# Altium PCB PCB_Project_Dangrangto.PcbDoc (part 2 of 2)
Units mm, origin at the board's own origin, x right, y up, seen from the top; angles counter-clockwise.
Board outline 121.2 x 86.2 mm, 2 copper layers (Top Layer, Bottom Layer); 180 components, 142 nets, 616 pads, 165 vias.
Unrouted connection lines stored in the file: 1.
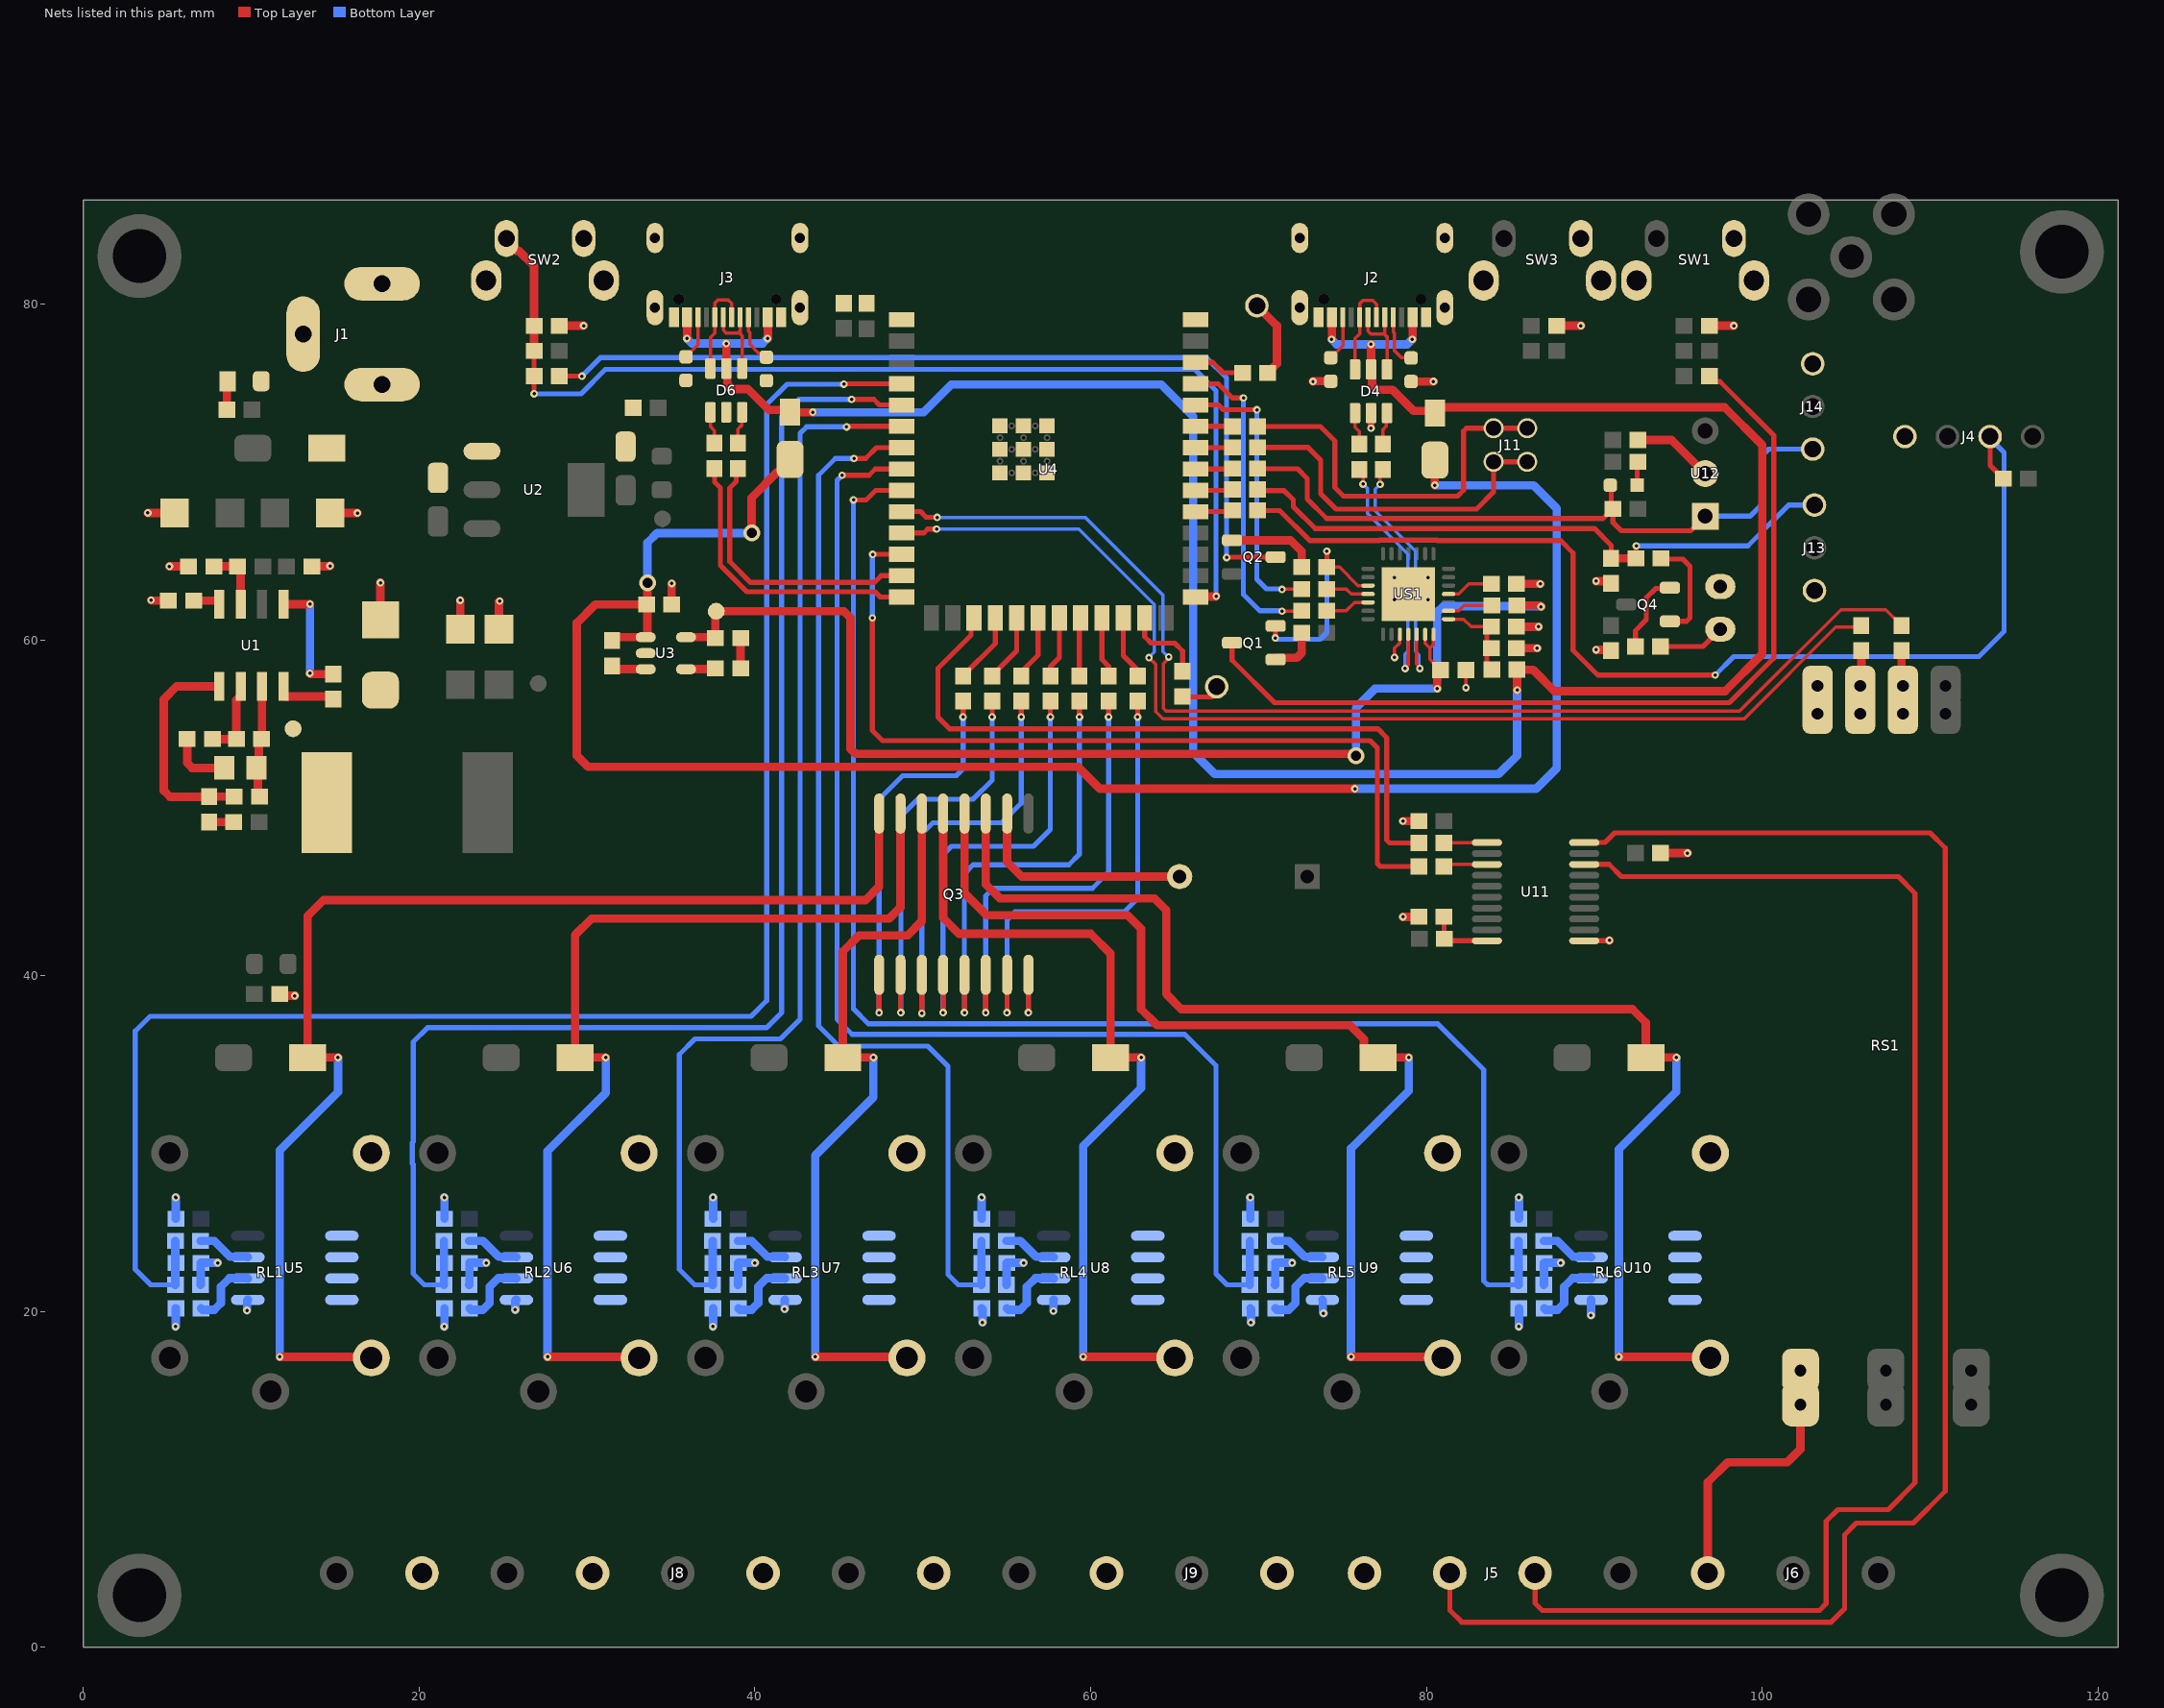
[diagram p2: the nets of this part, all layers, seen from the top]

## Via types
v1: diameter 0.45, hole 0.2, Top Layer to Bottom Layer, tented both sides, 158 vias
v2: diameter 1, hole 0.6, Top Layer to Bottom Layer, tented both sides, 7 vias

## Nets (pads, with @x,y where several pads share a name; then routed paths per layer and width w, separated by ;. In a path a pad name is that pad's centre, name@x,y a point inside that pad or via, vN(x,y) a via of type N, cw(c..) or ccw(c..) an arc to the next point about the centre after c; other vN are vias at no path point) (continued)
GND: C2.2 C3.2 C4.2 C5.2 C6.2 C7.2 C9.2 C10.2 C11.2 C12.2 C13.2 C14.2 C15.2 C16.2 C17.2 C18.2 C19.2 C20.2 C21.2 C22.2 C23.2 C24.1 C25.1 C30.2 C31.2 C32.2 C33.2 C34.2 C35.2 C36.2 C37.2 C38.2 C39.2 C40.2 C41.2 C42.2 C43.2 C44.2 C45.2 C46.2 C47.2 C48.2 C49.2 D1.1 D4.2 D6.2 D13.2 D15.2 J1.2 J1.3 J2.1 J2.2 J2.3 J2.4 J2.A1B12 J2.B1A12 J3.1 J3.2 J3.3 J3.4 J3.A1B12 J3.B1A12 J4.4 J5.4 J13.3 J14.3 Q3.8 R4.1 R5.1 R6.1 R12.2 R13.2 R17.2 R30.2 R31.2 R42.1 R43.1 R46.1 R47.1 R50.1 R51.1 R53.1 R54.2 R63.1 RS1.1 SW1.2 SW1.MH1 SW1.MH2 SW2.2 SW2.MH1 SW2.MH2 SW3.2 SW3.MH1 SW3.MH2 U1.7 U2.1 U3.2 U4.1 U4.40 U4.41_1 U4.41_2 U4.41_3 U4.41_4 U4.41_5 U4.41_6 U4.41_7 U4.41_8 U4.41_9 U5.5 U6.5 U7.5 U8.5 U9.5 U10.5 U11.11 U12.2 US1.3 US1.29 | length 82.9
  Top Layer w0.2: v1(78.1,58.95) 78.1,59.5 78.419,59.819 US1.3@78.419,60.326 ; v1(82.35,57.15) C19.2@82.35,58.2
  Top Layer w0.3: v1(56.29,37.8) 56.295,37.805 Q3.8@56.295,40.05 ; U11.11@89.4,42.075 v1@90.875,42.075
  Top Layer w0.4: v1(76.7,72.6) D4.2@76.7,73.5
  Top Layer w0.5: v1(3.845,67.555) 3.855,67.545 C5.2@5.443,67.545 ; v1(4.038,62.362) 4.062,62.338 C10.2@5.073,62.338 ; v1(5.13,64.37) R4.1@6.273,64.37 ; R6.1@10.491,50.654 10.398,50.747 10.398,52.273 R5.1@10.306,52.366 10.462,52.522 10.462,53.927 10.649,54.114 U1.7@10.649,57.221 ; C4.2@11.695,38.903 11.798,38.8 v1(12.603,38.8) ; C7.2@13.615,64.37 14.67,64.37 v1(14.7,64.4) ; C6.2@14.712,67.545 v1(16.327,67.545) ; D1.1@17.7,61.2 v1(17.7,63.4) ; C3.2@22.452,60.626 v1(22.452,62.348) ; C2.2@24.765,60.626 24.765,62.265 v1(24.8,62.3) ; C22.2@28.35,78.7 v1(29.8,78.7) ; C14.2@35.05,62.1 v1(35.05,63.35) ; C16.2@39.15,58.3 C15.2@39.15,60.1 ; v1(73.242,75.384) 73.258,75.4 R12.2@74.3,75.4 ; v1(78.6,43.5) R53.1@79.55,43.5 ; v1(78.6,49.2) C48.2@79.55,49.2 ; R13.2@79.088,75.381 v1(80.419,75.381) ; C20.2@85.369,59.501 v1(86.599,59.501) ; R17.2@85.369,60.776 v1(86.676,60.776) ; R54.2@85.369,63.326 v1(86.774,63.326) ; C23.2@87.75,78.7 v1(89.2,78.7) ; v1(90.1,59.4) 90.95,59.4 C24.1@91,59.35 ; v1(90.1,63.5) 90.107,63.493 90.857,63.493 R63.1@91,63.35 ; v1@90.875,42.075 v1(90.9,42.1) ; C25.1@92.6,71.9 94.6,71.9 U12.2@96.6,69.9 ; C49.2@93.95,47.3 v1(95.55,47.3) ; C21.2@96.85,78.7 v1(98.3,78.7)
  Bottom Layer w0.5: v1(5.5,19.1) 5.512,19.112 C34.2@5.512,20.187 ; v1(5.5,26.8) v1(5.512,26.788) C30.2@5.512,25.521 ; C32.2@6.987,21.584 6.999,21.597 6.999,22.884 R42.1@7.012,22.896 7.996,22.896 v1(8,22.9) ; v1(9.754,20.066) 9.754,20.649 U5.5@9.8,20.695 ; v1(21.5,19.1) 21.512,19.112 C35.2@21.512,20.187 ; v1(21.5,26.8) v1(21.512,26.788) C31.2@21.512,25.521 ; C33.2@22.987,21.584 22.999,21.597 22.999,22.884 R43.1@23.012,22.896 23.996,22.896 v1(24,22.9) ; v1(25.727,20.105) 25.727,20.649 25.773,20.695 U6.5@25.8,20.695 ; v1(37.5,19.1) 37.512,19.112 C40.2@37.512,20.187 ; v1(37.5,26.8) v1(37.512,26.788) C36.2@37.512,25.521 ; C38.2@38.987,21.584 38.999,21.597 38.999,22.884 R46.1@39.012,22.896 39.996,22.896 v1(40,22.9) ; v1(41.776,20.149) 41.776,20.671 U7.5@41.8,20.695 ; v1(53.5,26.8) v1(53.512,26.788) C37.2@53.512,25.521 ; C41.2@53.512,20.187 53.562,20.137 v1(53.562,19.353) ; C39.2@54.987,21.584 54.999,21.597 54.999,22.884 R47.1@55.012,22.896 55.996,22.896 v1(56,22.9) ; v1(57.784,20.027) 57.784,20.679 U8.5@57.8,20.695 ; v1(69.5,26.8) v1(69.512,26.788) C42.2@69.512,25.521 ; C46.2@69.512,20.187 69.551,20.148 v1(69.551,19.353) ; C44.2@70.987,21.584 70.999,21.597 70.999,22.884 R50.1@71.012,22.896 71.996,22.896 v1(72,22.9) ; U9.5@73.8,20.695 73.8,20.672 73.823,20.649 73.823,19.938 v1(73.866,19.895) ; v1(85.5,19.1) 85.512,19.112 C47.2@85.512,20.187 ; v1(85.5,26.8) v1(85.512,26.788) C43.2@85.512,25.521 ; C45.2@86.987,21.584 86.999,21.597 86.999,22.884 R51.1@87.012,22.896 87.996,22.896 v1(88,22.9) ; v1(89.799,19.772) 89.8,19.773 U10.5@89.8,20.695
  other v1: 78.1,62.4 80.1,62.4 78.1,63.7 80.1,63.7
GPIO0: C22.1 R24.2 R26.1 SW2.1 U4.27 | length 64.8
  Top Layer w0.3: v1(26.85,74.65) R24.2@26.85,75.7 ; R24.2@26.85,76.15 R26.1@26.85,77.2
  Top Layer w0.5: SW2.1@25.2,83.9 25.2,83.744 25.769,83.175 25.925,83.175 26.85,82.25 C22.1@26.85,78.7 R26.1@26.85,77.2 ; U4.27@66.25,62.55 66.277,62.577 67.457,62.577 v1(67.48,62.6)
  Bottom Layer w0.3: v1(26.85,74.65) 29.65,74.65 31.1,76.1 66.2,76.1 67.465,74.835 67.465,62.614 v1(67.48,62.6)
GROUND: J6.3 RS1.7 | length 14.4
  Top Layer w0.5: J6.3@96.755,4.426 96.755,9.831 97.943,11.019 101.488,11.019 102.28,11.811 RS1.7@102.28,14.453
IN_BUZZER: R38.2 U4.24 | length 3.8
  Top Layer w0.3: U4.24@61.945,61.3 61.945,59.055 62.8,58.2 R38.2@62.8,57.85
IN_RL1: R32.2 U4.18 | length 4.2
  Top Layer w0.3: R32.2@52.4,57.85 52.4,57.856 54.325,59.781 U4.18@54.325,61.3
IN_RL2: R33.2 U4.19 | length 4.1
  Top Layer w0.3: R33.2@54.133,57.846 54.133,57.89 55.595,59.352 U4.19@55.595,61.3
IN_RL3: R34.2 U4.20 | length 3.9
  Top Layer w0.3: R34.2@55.867,57.846 55.867,58.085 56.865,59.083 U4.20@56.865,61.3
IN_RL4: R35.2 U4.21 | length 3.7
  Top Layer w0.3: R35.2@57.6,57.846 57.6,58.4 58.135,58.935 U4.21@58.135,61.3
IN_RL5: R36.2 U4.22 | length 3.5
  Top Layer w0.3: R36.2@59.333,57.846 59.333,61.228 U4.22@59.405,61.3
IN_RL6: R37.2 U4.23 | length 3.6
  Top Layer w0.3: U4.23@60.675,61.3 60.675,58.825 61.067,58.433 R37.2@61.067,57.846
IO2: IO2.1 R55.1 | length 4.7
  Top Layer w0.5: IO2.1@69.9,79.9 71.1,78.7 71.1,76.45 70.8,76.15 70.8,76.125 70.575,75.9 R55.1@70.55,75.9
IO41: J11.1 J11.2 R59.2 | length 21
  Top Layer w0.3: R59.2@69.95,71.45 72.95,71.45 73.7,70.7 73.7,68.7 74.622,67.778 82.978,67.778 84,68.8 J11.2@84,70.6 J11.1@86,70.6
IO42: J11.3 J11.4 R60.2 | length 23.1
  Top Layer w0.3: R60.2@69.95,72.7 73.689,72.7 74.547,71.842 74.547,69.06 75.061,68.546 81.846,68.546 82.206,68.906 82.206,72.424 82.382,72.6 J11.3@86,72.6
IO48: IO48.1 R61.2 | length 2.5
  Top Layer w0.3: R61.2@65.463,56.625 65.486,56.602 67.2,56.602 67.5,56.902 IO48.1@67.5,57.2
NetC1_1: C1.1 D1.2 L1.1 TP1.1 U1.8 | length 3.6
  Top Layer w0.5: U1.8@11.919,57.221 11.919,56.671 11.969,56.621 14.732,56.621 C1.1@14.894,56.459
NetC1_2: C1.2 U1.1 | length 7.1
  Top Layer w0.5: U1.1@11.919,62.121 13.499,62.121 v1(13.502,62.124) ; v1(13.5,58) 13.541,57.959 C1.2@14.894,57.959 C1.2@14.884,57.969
  Bottom Layer w0.5: v1(13.5,58) v1@13.5,62.124
NetC8_1: C8.1 C9.1 U1.6 | length 4.7
  Top Layer w0.5: C8.1@7.697,54.083 C9.1@9.118,54.083 9.118,56.41 9.379,56.671 U1.6@9.379,57.221
NetC8_2: C8.2 R5.2 | length 3.8
  Top Layer w0.5: C8.2@6.197,54.083 6.197,52.659 6.49,52.366 R5.2@8.406,52.366
NetC10_1: C10.1 U1.4 | length 1.7
  Top Layer w0.5: C10.1@6.573,62.338 8.059,62.338 8.109,62.288 U1.4@8.109,62.121
NetC16_1: C16.1 U3.4 | length 1.8
  Top Layer w0.5: U3.4@35.9,58.25 37.6,58.25 C16.1@37.65,58.3
NetC20_1: C20.1 R16.2 R17.1 US1.8 | length 5.6
  Top Layer w0.2: US1.8@81.319,61.226 82.219,61.226 82.669,60.776 R17.1@83.682,60.776
  Top Layer w0.3: R17.1@83.869,60.776 83.595,60.501 83.595,59.776 C20.1@83.869,59.501 83.595,59.226 83.595,58.526 R16.2@83.895,58.226
NetC34_1: C34.1 U5.6 | length 4.2
  Bottom Layer w0.5: C34.1@7.012,20.187 7.099,20.1 7.8,20.1 8.2,20.5 8.2,21.468 8.716,21.984 9.781,21.984 U5.6@9.8,21.965
NetC35_1: C35.1 U6.6 | length 4.2
  Bottom Layer w0.5: C35.1@23.012,20.187 23.099,20.1 23.8,20.1 24.2,20.5 24.2,21.468 24.716,21.984 25.781,21.984 U6.6@25.8,21.965
NetC40_1: C40.1 U7.6 | length 4.2
  Bottom Layer w0.5: C40.1@39.012,20.187 39.099,20.1 39.8,20.1 40.2,20.5 40.2,21.468 40.716,21.984 41.781,21.984 U7.6@41.8,21.965
NetC41_1: C41.1 U8.6 | length 4.2
  Bottom Layer w0.5: C41.1@55.012,20.187 55.099,20.1 55.8,20.1 56.2,20.5 56.2,21.468 56.716,21.984 57.781,21.984 U8.6@57.8,21.965
NetC46_1: C46.1 U9.6 | length 4.2
  Bottom Layer w0.5: C46.1@71.012,20.187 71.099,20.1 71.8,20.1 72.2,20.5 72.2,21.468 72.716,21.984 73.781,21.984 U9.6@73.8,21.965
NetC47_1: C47.1 U10.6 | length 4.2
  Bottom Layer w0.5: C47.1@87.012,20.187 87.099,20.1 87.8,20.1 88.2,20.5 88.2,21.468 88.716,21.984 89.781,21.984 U10.6@89.8,21.965
NetD4_1: D4.1 R8.1 | length 2
  Top Layer w0.2: D4.1@75.75,73.5 75.75,72.65 76,72.4 R8.1@76,71.65
NetD4_3: D4.3 R9.1 | length 2
  Top Layer w0.2: R9.1@77.4,71.65 77.4,72.5 77.607,72.707 77.607,73.457 D4.3@77.65,73.5
NetD4_4: D4.4 J2.A7 J2.B7 | length 5.1
  Top Layer w0.2: J2.A7@76.523,79.205 76.523,78.377 76.7,78.2 77.4,78.2 77.523,78.323 ; J2.B7@77.523,79.205 77.523,78.323 ; D4.4@77.65,76.1 77.65,78.05 77.523,78.177 77.523,78.323
NetD4_6: D4.6 J2.A6 J2.B6 | length 6
  Top Layer w0.2: D4.6@75.75,76.1 75.75,77.95 76.023,78.223 J2.B6@76.023,79.205 76.023,79.997 76.019,80.001 76.217,80.2 76.8,80.2 77.023,79.977 J2.A6@77.023,79.205
NetD6_1: D6.1 R28.1 | length 2
  Top Layer w0.2: D6.1@37.35,73.55 37.35,72.7 37.6,72.45 R28.1@37.6,71.7
NetD6_3: D6.3 R29.1 | length 2
  Top Layer w0.2: R29.1@39,71.7 39,72.55 39.207,72.757 39.207,73.507 D6.3@39.25,73.55
NetD6_4: D6.4 J3.A7 J3.B7 | length 5.1
  Top Layer w0.2: J3.A7@38.123,79.255 38.123,78.427 38.3,78.25 39,78.25 39.123,78.373 ; J3.B7@39.123,79.255 39.123,78.373 ; D6.4@39.25,76.15 39.25,78.1 39.123,78.227 39.123,78.373
NetD6_6: D6.6 J3.A6 J3.B6 | length 6
  Top Layer w0.2: D6.6@37.35,76.15 37.35,78 37.623,78.273 37.623,79.255 37.623,80.047 37.619,80.051 37.817,80.25 38.4,80.25 38.623,80.027 J3.A6@38.623,79.255
NetD13_1: D13.1 R64.2 | length 4
  Top Layer w0.3: R64.2@93.95,59.6 96.47,59.6 D13.1@97.5,60.63
NetD14_1: D14.1 R65.1 | length 1.4
  Top Layer w0.3: D14.1@92.55,69.2 92.55,70.55 R65.1@92.6,70.6
NetD15_1: D15.1 R67.1 | length 1.7
  Top Layer w0.5: R67.1@8.55,73.7 8.55,75.35 D15.1@8.6,75.4
NetJ2_A5: J2.A5 R13.1 | length 3.2
  Top Layer w0.2: J2.A5@78.023,79.205 78.023,78.319 78.104,78.238 78.104,77.196 78.505,76.795 79.074,76.795 R13.1@79.088,76.781
NetJ2_B5: J2.B5 R12.1 | length 2.7
  Top Layer w0.2: R12.1@74.3,76.8 75.023,77.523 J2.B5@75.023,79.205
NetJ3_A5: J3.A5 R31.1 | length 3
  Top Layer w0.2: J3.A5@39.623,79.255 39.623,78.369 39.704,78.288 39.704,77.596 40.231,77.069 40.45,77.069 R31.1@40.688,76.831
NetJ3_B5: J3.B5 R30.1 | length 2.7
  Top Layer w0.2: R30.1@35.9,76.85 36.623,77.573 J3.B5@36.623,79.255
NetQ1_1: Q1.1 R21.1 | length 2.9
  Top Layer w0.5: Q1.1@71.019,58.826 71.119,58.926 72.276,58.926 72.569,59.219 R21.1@72.569,60.426
NetQ1_3: Q1.3 R20.1 | length 54
  Top Layer w0.3: Q1.3@68.419,59.826 68.419,58.781 70.946,56.254 98.041,56.254 100.682,58.895 100.682,72.179 97.487,75.375 97.175,75.375 R20.1@96.85,75.7
NetQ2_1: Q2.1 R22.1 | length 5.4
  Top Layer w0.5: Q2.1@68.419,65.926 71.897,65.926 72.565,65.258 72.565,64.33 R22.1@72.569,64.326
NetQ2_3: Q2.3 R24.1 | length 54.3
  Top Layer w0.3: R24.1@28.35,75.7 v1(29.7,75.7) ; v1(68.1,64.9) 68.126,64.926 Q2.3@71.019,64.926
  Bottom Layer w0.3: v1(29.7,75.7) 30.8,76.8 66.9,76.8 68.1,75.6 v1(68.1,64.9)
NetQ3_1: Q3.1 R32.1 | length 24.7
  Top Layer w0.3: v1(47.4,37.8) 47.405,37.805 Q3.1@47.405,40.05 ; v1(52.4,55.4) R32.1@52.4,56.35
  Bottom Layer w0.3: v1(47.4,37.8) 47.4,50.5 48.8,51.9 52,51.9 52.4,52.3 v1(52.4,55.4)
NetQ3_2: Q3.2 R33.1 | length 25
  Top Layer w0.3: Q3.2@48.675,40.05 48.675,37.825 v1(48.7,37.8) ; v1(54.133,55.396) R33.1@54.133,56.346
  Bottom Layer w0.3: v1(48.7,37.8) 48.7,49.5 49.7,50.5 53,50.5 54.133,51.633 v1(54.133,55.396)
NetQ3_3: Q3.3 R34.1 | length 25.7
  Top Layer w0.3: v1(49.945,37.755) Q3.3@49.945,40.05 ; v1(55.867,55.396) R34.1@55.867,56.346
  Bottom Layer w0.3: v1(49.945,37.755) 49.945,48.445 50.6,49.1 54.7,49.1 55.867,50.267 v1(55.867,55.396)
NetQ3_4: Q3.4 R35.1 | length 26.3
  Top Layer w0.3: v1(51.21,37.8) 51.215,37.805 Q3.4@51.215,40.05 ; v1(57.6,55.396) R35.1@57.6,56.346
  Bottom Layer w0.3: v1(51.21,37.8) 51.21,47.21 51.7,47.7 56.6,47.7 57.6,48.7 v1(57.6,55.396)
NetQ3_5: Q3.5 R36.1 | length 27
  Top Layer w0.3: v1(52.48,37.8) 52.485,37.805 Q3.5@52.485,40.05 ; v1(59.333,55.396) R36.1@59.333,56.346
  Bottom Layer w0.3: v1(52.48,37.8) 52.48,46.08 53,46.6 58.7,46.6 59.333,47.233 v1(59.333,55.396)
NetQ3_6: Q3.6 R37.1 | length 27.3
  Top Layer w0.3: v1(53.75,37.8) 53.755,37.805 Q3.6@53.755,40.05 ; v1(61.067,55.396) R37.1@61.067,56.346
  Bottom Layer w0.3: v1(53.75,37.8) 53.75,44.75 54.2,45.2 60.1,45.2 61.067,46.167 v1(61.067,55.396)
NetQ3_7: Q3.7 R38.1 | length 27.8
  Top Layer w0.3: v1(55.02,37.8) 55.025,37.805 Q3.7@55.025,40.05 ; v1(62.8,55.4) R38.1@62.8,56.35
  Bottom Layer w0.3: v1(55.02,37.8) 55.02,43.32 55.5,43.8 62,43.8 62.8,44.6 v1(62.8,55.4)
NetQ4_1: Q4.1 R62.2 | length 6.3
  Top Layer w0.3: R62.2@93.973,64.846 94.019,64.8 95.275,64.8 95.7,64.375 95.7,61.3 95.5,61.1 Q4.1@94.5,61.1
NetQ4_2: Q4.2 R64.1 | length 4.8
  Top Layer w0.3: R64.1@92.45,59.6 92.45,60.55 93.1,61.2 93.1,62.5 93.658,63.058 94.458,63.058 Q4.2@94.5,63.1
NetR1_1: R1.1 R2.2 | length 1.5
  Top Layer w0.5: R2.2@7.5,49.15 7.501,49.149 8.966,49.149 R1.1@8.967,49.147
NetR2_1: R2.1 R6.2 U1.5 | length 13.4
  Top Layer w0.5: U1.5@8.109,57.221 5.548,57.221 4.802,56.474 4.802,51.016 5.167,50.65 R2.1@7.5,50.65 7.504,50.654 R6.2@8.991,50.654
NetR3_1: R3.1 R4.2 U1.3 | length 3.7
  Top Layer w0.5: R4.2@7.773,64.37 R3.1@9.194,64.37 9.379,64.185 U1.3@9.379,62.121
NetR7_1: R7.1 U3.3 | length 2.1
  Top Layer w0.5: R7.1@31.5,58.45 31.7,58.25 U3.3@33.5,58.25
NetR10_1: R10.1 U4.10 | length 71.6
  Top Layer w0.2: v1(64.645,58.978) 64.645,58.91 64.322,58.586 64.322,55.918 64.49,55.75 98.644,55.75 104.688,61.794 107.356,61.794 107.9,61.25 107.925,61.25 108.3,60.875 R10.1@108.3,60.85
  Top Layer w0.3: U4.10@48.75,67.63 49.87,67.63 50.206,67.294 v1(50.86,67.294)
  Bottom Layer w0.2: v1(50.86,67.294) 59.67,67.294 64.3,62.663 64.3,59.302 64.625,58.978 v1(64.645,58.978)
NetR11_1: R11.1 U4.11 | length 68.1
  Top Layer w0.2: v1(63.471,58.938) 63.868,58.541 63.868,55.73 64.302,55.296 98.931,55.296 104.385,60.75 R11.1@105.9,60.75
  Top Layer w0.3: U4.11@48.75,66.36 50.06,66.36 50.291,66.591 v1(50.824,66.591)
  Bottom Layer w0.2: v1(50.824,66.591) 59.309,66.591 63.8,62.1 63.8,59.267 v1(63.471,58.938)
NetR14_2: R14.2 U4.12 | length 52.2
  Top Layer w0.3: v1(47,61.3) 47,54.6 47.6,54 76.649,54 77.078,53.572 77.078,46.676 77.254,46.5 R14.2@79.55,46.5 ; v1(47.021,65.085) 47.026,65.09 U4.12@48.75,65.09
  Bottom Layer w0.3: v1(47,61.3) 47,65.064 v1(47.021,65.085)
NetR15_2: R15.2 U4.17 | length 42.1
  Top Layer w0.3: U4.17@53.055,61.3 52.876,61.121 52.876,60.276 50.9,58.3 50.9,55.4 51.6,54.7 77.1,54.7 77.632,54.168 77.632,48.076 77.808,47.9 R15.2@79.55,47.9
NetR18_2: R18.2 US1.26 | length 2.7
  Top Layer w0.2: R18.2@74.069,61.726 75.219,61.726 75.719,62.226 US1.26@76.519,62.226
NetR19_2: R19.2 US1.25 | length 2.6
  Top Layer w0.2: R19.2@74.069,63.026 75.219,63.026 75.519,62.726 US1.25@76.519,62.726
NetR23_2: R23.2 US1.9 | length 2.7
  Top Layer w0.2: US1.9@81.319,61.726 81.919,61.726 82.244,62.051 R23.2@83.895,62.051
NetR39_2: R39.2 U5.7 | length 3.2
  Bottom Layer w0.5: R39.2@6.987,24.209 6.995,24.2 7.8,24.2 8.746,23.254 9.781,23.254 U5.7@9.8,23.235
NetR40_2: R40.2 U6.7 | length 3.2
  Bottom Layer w0.5: R40.2@22.987,24.209 22.995,24.2 23.8,24.2 24.746,23.254 25.781,23.254 U6.7@25.8,23.235
NetR44_2: R44.2 U7.7 | length 3.2
  Bottom Layer w0.5: R44.2@38.987,24.209 38.995,24.2 39.8,24.2 40.746,23.254 41.781,23.254 U7.7@41.8,23.235
NetR45_2: R45.2 U8.7 | length 3.2
  Bottom Layer w0.5: R45.2@54.987,24.209 54.995,24.2 55.8,24.2 56.746,23.254 57.781,23.254 U8.7@57.8,23.235
NetR48_2: R48.2 U9.7 | length 3.2
  Bottom Layer w0.5: R48.2@70.987,24.209 70.995,24.2 71.8,24.2 72.746,23.254 73.781,23.254 U9.7@73.8,23.235
NetR49_2: R49.2 U10.7 | length 3.2
  Bottom Layer w0.5: R49.2@86.987,24.209 86.995,24.2 87.8,24.2 88.746,23.254 89.781,23.254 U10.7@89.8,23.235
NetR52_1: R52.1 R53.2 U11.10 | length 3.9
  Top Layer w0.3: R53.2@81.05,43.5 81.05,42.225 R52.1@81.075,42.2 81.2,42.075 U11.10@83.6,42.075
NetR54_1: R54.1 US1.11 | length 2.8
  Top Layer w0.2: US1.11@81.319,62.726 81.919,62.726 82.519,63.326 R54.1@83.869,63.326
NetR55_2: R55.2 U4.38 | length 3.1
  Top Layer w0.3: U4.38@66.25,76.52 67.28,76.52 67.9,75.9 R55.2@69.05,75.9
NetR56_1: R56.1 U4.31 | length 2.2
  Top Layer w0.3: U4.31@66.25,67.63 68.38,67.63 R56.1@68.45,67.7
NetR57_1: R57.1 U4.32 | length 2.2
  Top Layer w0.3: U4.32@66.25,68.9 68.4,68.9 R57.1@68.45,68.95
NetR58_1: R58.1 U4.33 | length 2.2
  Top Layer w0.3: U4.33@66.25,70.17 68.42,70.17 R58.1@68.45,70.2
NetR59_1: R59.1 U4.34 | length 2.2
  Top Layer w0.3: U4.34@66.25,71.44 68.44,71.44 R59.1@68.45,71.45
NetR60_1: R60.1 U4.35 | length 2.2
  Top Layer w0.3: U4.35@66.25,72.71 68.44,72.71 R60.1@68.45,72.7
NetR61_1: R61.1 U4.25 | length 4.9
  Top Layer w0.3: U4.25@63.215,61.3 63.215,60.185 63.6,59.8 65,59.8 65.475,59.325 65.475,58.136 R61.1@65.463,58.125
NO1+: RL1.3 U5.1 U5.2
NO1-: J8.8 U5.3 U5.4
NO2+: RL2.3 U6.1 U6.2
NO2-: J8.6 U6.3 U6.4
NO3+: RL3.3 U7.1 U7.2
NO3-: J8.4 U7.3 U7.4
NO4+: RL4.3 U8.1 U8.2
NO4-: J8.2 U8.3 U8.4
NO5+: RL5.3 U9.1 U9.2
NO5-: J9.3 U9.3 U9.4
NO6+: RL6.3 U10.1 U10.2
NO6-: J9.1 U10.3 U10.4
OUT_BUZZER: LS1.2 Q3.10 | length 13.5
  Top Layer w0.5: Q3.10@55.025,49.65 55.025,46.775 55.9,45.9 LS1.2@65.3,45.9
OUT_DHT11: J4.2 R41.1 R56.2 | length 67.8
  Top Layer w0.3: R56.2@69.95,67.7 71.252,67.7 73.041,65.911 77.181,65.911 77.2,65.93 80.638,65.93 80.657,65.911 87.985,65.911 88.731,65.165 88.731,59.374 90.205,57.9 v1(97.2,57.9) ; J4.2@113.57,72.1 113.57,70.38 114,69.95 114,69.925 114.325,69.6 R41.1@114.35,69.6
  Bottom Layer w0.3: v1(97.2,57.9) 98.3,59 112.9,59 114.4,60.5 114.4,71.152 113.57,71.982 J4.2@113.57,72.1
OUT_RL1: D7.1 Q3.16 RL1.4 | length 74.1
  Top Layer w0.5: v1(11.7,17.3) 17.09,17.3 RL1.4@17.157,17.233 ; v1(15.177,35.123) D7.1@13.357,35.123 13.357,43.557 14.3,44.5 46.6,44.5 47.405,45.305 Q3.16@47.405,49.65
  Bottom Layer w0.5: v1(11.7,17.3) 11.7,29.6 15.177,33.077 v1(15.177,35.123)
OUT_RL2: D8.1 Q3.15 RL2.4 | length 59.4
  Top Layer w0.5: v1(27.651,17.3) RL2.4@33.041,17.3 ; v1(31.119,35.123) D8.1@29.299,35.123 29.299,42.416 30.283,43.4 48,43.4 48.675,44.075 Q3.15@48.675,49.65
  Bottom Layer w0.5: v1(27.651,17.3) 27.651,29.551 31.119,33.019 v1(31.119,35.123)
OUT_RL3: D9.1 Q3.14 RL3.4 | length 44.6
  Top Layer w0.5: v1(43.602,17.3) RL3.4@48.992,17.3 ; v1(47.061,35.123) D9.1@45.241,35.123 45.241,41.441 46.2,42.4 49.1,42.4 49.945,43.245 Q3.14@49.945,49.65
  Bottom Layer w0.5: v1(43.602,17.3) 43.602,29.302 47.061,32.761 v1(47.061,35.123)
OUT_RL4: D10.1 Q3.13 RL4.4 | length 49.7
  Top Layer w0.5: Q3.13@51.215,49.65 51.215,43.439 52.154,42.5 60,42.5 61.183,41.317 D10.1@61.183,35.123 v1(63.004,35.123) ; v1(59.554,17.3) RL4.4@64.944,17.3
  Bottom Layer w0.5: v1(59.554,17.3) 59.554,29.854 63.004,33.304 v1(63.004,35.123)
OUT_RL5: D11.1 Q3.12 RL5.4 | length 63
  Top Layer w0.5: Q3.12@52.485,49.65 52.485,44.915 53.8,43.6 62.2,43.6 63,42.8 63,38 63.954,37.046 75.446,37.046 76.276,36.216 76.276,35.673 76.826,35.123 v1(78.946,35.123) ; v1(75.505,17.3) RL5.4@80.895,17.3
  Bottom Layer w0.5: v1(75.505,17.3) 75.505,29.705 78.946,33.146 v1(78.946,35.123)
OUT_RL6: D12.1 Q3.11 RL6.4 | length 78.4
  Top Layer w0.5: Q3.11@53.755,49.65 53.755,45.445 54.6,44.6 63.8,44.6 64.5,43.9 64.5,38.9 65.4,38 92.268,38 93.068,37.2 D12.1@93.068,35.123 v1(94.888,35.123) ; v1(91.456,17.3) RL6.4@96.846,17.3
  Bottom Layer w0.5: v1(91.456,17.3) 91.456,29.656 94.888,33.088 v1(94.888,35.123)
RTS: Q1.2 R22.2 US1.24 | length 12.8
  Top Layer w0.2: R22.2@74.069,64.326 74.819,64.326 75.919,63.226 US1.24@76.519,63.226
  Top Layer w0.3: v1(71,60.105) 71.009,60.114 71.009,60.816 Q1.2@71.019,60.826 ; v1@74.019,65.326 v1(74.069,65.276) R22.2@74.069,64.326
  Bottom Layer w0.3: v1(71,60.105) 71.041,60.105 71.116,60.03 73.673,60.03 74.069,60.426 v1(74.069,65.276)
RX: D14.2 J14.1 R58.2 R66.1 U12.1 | length 41.3
  Top Layer w0.3: R58.2@69.95,70.2 69.974,70.176 72.324,70.176 72.9,69.6 72.9,68.382 74.058,67.224 90.524,67.224 90.75,67.45 90.75,67.475 90.975,67.7 91,67.7 91,69.15 D14.2@90.95,69.2 ; R66.1@91.1,67.8 91.1,67.7 91.1,67 91.6,66.5 95.74,66.5 U12.1@96.6,67.36
  Bottom Layer w0.3: U12.1@96.6,67.36 99.275,67.36 100,68.085 100,70.978 100.377,71.355 J14.1@103.005,71.355
SCL: R15.1 U11.1 | length 2.6
  Top Layer w0.2: R15.1@81.05,47.9 81.075,47.925 U11.1@83.6,47.925
SCL_5V: J5.3 U11.20 | length 98.2
  Top Layer w0.3: J5.3@81.388,4.426 81.388,2.212 82.1,1.5 104.1,1.5 104.9,2.3 104.9,6.7 105.6,7.4 109,7.4 110.9,9.3 110.9,47.6 110,48.5 91.2,48.5 90.625,47.925 U11.20@89.4,47.925
SDA: R14.1 U11.3 | length 2.6
  Top Layer w0.2: R14.1@81.05,46.5 81.175,46.625 U11.3@83.6,46.625
SDA_5V: J5.2 U11.18 | length 86.1
  Top Layer w0.3: J5.2@86.468,4.426 86.468,2.632 86.9,2.2 103.4,2.2 103.8,2.6 103.8,7.5 104.5,8.2 107.5,8.2 109.1,9.8 109.1,44.9 108.1,45.9 91.6,45.9 90.875,46.625 U11.18@89.4,46.625
TX: J13.1 R57.2 R62.1 R63.2 | length 37.3
  Top Layer w0.3: R57.2@69.95,68.95 70.024,68.876 71.526,68.876 72.064,68.338 72.064,67.932 73.37,66.626 89.998,66.626 91,65.624 R63.2@91,64.85 ; R62.1@92.473,64.846 92.496,64.87 v1(92.496,65.596)
  Top Layer w0.5: R63.2@91,64.85 91.002,64.848 92.471,64.848 R62.1@92.473,64.846
  Bottom Layer w0.3: v1(92.496,65.596) 99.14,65.596 101.561,68.016 J13.1@103.106,68.016
U0RXD: R18.1 U4.37 | length 18.8
  Top Layer w0.2: v1(71.4,61.7) 72.543,61.7 R18.1@72.569,61.726
  Top Layer w0.3: U4.37@66.25,75.25 67.593,75.25 68.443,74.4 v1(69.1,74.4)
  Bottom Layer w0.3: v1(69.1,74.4) 69.1,62.7 69.7,62.1 70.071,61.729 71.371,61.729 v1(71.4,61.7)
U0TXD: R19.1 U4.36 | length 16.8
  Top Layer w0.2: v1(71.4,63) 71.426,63.026 R19.1@72.569,63.026
  Top Layer w0.3: U4.36@66.25,73.98 67.62,73.98 67.9,73.7 v1(69.9,73.7)
  Bottom Layer w0.3: v1(69.9,73.7) 69.9,63.6 70.471,63.029 71.371,63.029 v1(71.4,63)
U1RXD: R11.2 RS1.2 | length 2
  Top Layer w0.5: RS1.2@105.836,57.252 105.9,57.316 R11.2@105.9,59.25
U1TXD: R10.2 RS1.3 | length 2.1
  Top Layer w0.5: R10.2@108.3,59.35 108.3,57.328 RS1.3@108.376,57.252
USB_D+: R28.2 U4.14 | length 17.5
  Top Layer w0.3: R28.2@37.6,70.2 37.6,69.4 37.95,69.05 37.95,64.439 39.529,62.86 47.153,62.86 47.463,62.55 U4.14@48.75,62.55
USB_D-: R29.2 U4.13 | length 16.7
  Top Layer w0.3: R29.2@39,70.2 38.897,70.097 38.897,69.426 38.504,69.032 38.504,64.668 39.758,63.414 47.114,63.414 47.52,63.82 U4.13@48.75,63.82
USB_DM: R9.2 US1.5 | length 15.3
  Top Layer w0.2: v1(77.239,69.251) 77.239,69.989 R9.2@77.4,70.15 ; US1.5@79.419,60.326 79.41,60.316 79.41,60.006 79.398,59.995 79.398,58.552 79.606,58.344 v1(79.606,58.289)
  Bottom Layer w0.2: v1(77.239,69.251) 76.954,68.966 76.954,67.688 79.354,65.288 79.354,59.314 79.558,59.11 79.558,58.337 v1(79.606,58.289)
USB_DP: R8.2 US1.4 | length 15.3
  Top Layer w0.2: R8.2@76,70.15 76.226,69.924 v1(76.226,69.27) ; v1@78.728,58.246 78.728,58.296 78.919,58.488 US1.4@78.919,60.326
  Bottom Layer w0.2: v1(76.226,69.27) 76.5,68.995 76.5,67.5 78.9,65.1 78.9,59.314 78.728,59.142 v1(78.728,58.289)
VBUS: D3.1 D4.5 D5.1 D6.5 J2.A4B9 J2.B4A9 J3.A4B9 J3.B4A9 R16.1 | length 149
  Top Layer w0.3: J3.B4A9@35.973,79.255 J3.B4A9@36.042,79.324
  Top Layer w0.5: v1@35.973,77.958 J3.B4A9@35.973,79.255 ; v1(38.3,77.646) D6.5@38.3,76.15 38.36,76.09 38.36,75.23 38.653,74.937 39.577,74.937 40.834,73.68 41.97,73.68 D5.1@42.1,73.55 v1(43.45,73.55) ; v1@40.773,77.958 J3.A4B9@40.773,79.255 ; v1@74.373,77.908 J2.B4A9@74.373,79.205 ; v1(76.7,77.596) D4.5@76.7,76.1 76.76,76.04 76.76,75.18 77.053,74.887 77.977,74.887 79.234,73.63 80.5,73.63 80.714,73.844 97.755,73.844 100,71.599 100,59.151 97.786,56.937 87.621,56.937 86.352,58.206 85.415,58.206 R16.1@85.395,58.226 85.4,58.22 v1(85.4,57) ; v1@79.173,77.908 J2.A4B9@79.173,79.205
  Bottom Layer w0.5: v1(35.954,77.939) 36.247,77.646 v1(38.3,77.646) 40.461,77.646 v1(40.754,77.939) ; v1(43.45,73.55) 50.05,73.55 51.7,75.2 64.2,75.2 66.1,73.3 66.1,53.3 67.4,52 84.3,52 85.4,53.1 v1(85.4,57) ; v1(74.354,77.889) 74.647,77.596 v1(76.7,77.596) 78.861,77.596 v1(79.154,77.889)
VCC_3V3: C15.1 C19.1 R23.1 TP4.1 U3.5 US1.6 US1.7 | length 74.3
  Top Layer w0.2: US1.6@79.919,60.326 79.919,59.781 80.2,59.5 ; US1.7@80.419,60.326 80.419,59.719 80.2,59.5 ; C19.1@80.85,58.2 80.825,58.2 80.45,58.575 80.45,58.6 80.2,58.85 80.2,59.5
  Top Layer w0.5: U3.5@35.9,60.15 37.6,60.15 C15.1@37.65,60.1 37.65,61.65 TP4.1@37.7,61.7 45.3,61.7 45.7,61.3 45.7,53.493 45.993,53.2 75.343,53.2 75.351,53.192 75.705,53.192 v2(75.8,53.096) ; v1(80.643,57.092) 80.643,57.993 C19.1@80.85,58.2 ; R23.1@85.395,62.051 86.741,62.051 v1(86.823,61.969)
  Bottom Layer w0.5: v2(75.8,53.096) 75.8,55.954 76.939,57.092 v1(80.643,57.092) ; 80.643,57.592 80.643,61.643 81.002,62.002 86.79,62.002 v1(86.823,61.969)
VCC_5V: C14.1 D3.2 D5.2 R7.2 U3.1 | length 116.7
  Top Layer w0.5: R7.2@31.5,59.95 31.7,60.15 U3.1@33.5,60.15 33.554,60.15 33.6,60.196 33.6,62.1 v2(33.6,63.4) ; C14.1@33.55,62.1 30.5,62.1 29.4,61 29.4,53.1 30.071,52.429 59.249,52.429 60.55,51.128 v1(75.733,51.128) ; v2(39.806,66.356) 39.807,68.457 41.343,69.993 41.561,69.993 42.1,70.531 D5.2@42.1,70.75 ; v1(80.5,69.2) D3.2@80.5,70.7
  Bottom Layer w0.5: v2(33.6,63.4) 33.6,65.774 34.181,66.356 v2(39.806,66.356) ; v1(75.733,51.128) 86.528,51.128 87.754,52.354 87.754,67.83 86.384,69.2 v1(80.5,69.2)
VIN: D2.1 J1.1
VIOUT1: C32.1 R39.1 R42.2 U4.4 | length 102
  Top Layer w0.3: v1(45.304,75.22) 45.333,75.249 v1@45.439,75.249 ; v1@45.44,75.25 U4.4@48.75,75.25
  Bottom Layer w0.3: C32.1@5.487,21.584 4.016,21.584 3.1,22.5 3.1,36.7 3.981,37.581 39.781,37.581 40.71,38.51 40.71,74.01 41.92,75.22 v1(45.304,75.22)
  Bottom Layer w0.5: C32.1@5.487,21.584 5.487,22.896 R39.1@5.487,24.209
VIOUT2: C33.1 R40.1 R43.2 U4.5 | length 84.5
  Top Layer w0.3: v1(45.758,74.314) 47.086,74.314 47.42,73.98 U4.5@48.75,73.98
  Bottom Layer w0.3: C33.1@21.487,21.584 20.316,21.584 19.654,22.246 19.654,28.76 19.604,28.81 19.604,30.056 19.654,30.106 19.654,36.054 20.498,36.898 40.698,36.898 41.6,37.8 41.6,73.3 42.614,74.314 v1(45.758,74.314)
  Bottom Layer w0.5: C33.1@21.487,21.584 21.487,22.896 R40.1@21.487,24.209
VIOUT3: C38.1 R44.1 R46.2 U4.6 | length 67
  Top Layer w0.3: v1(45.465,72.68) 45.505,72.68 45.535,72.71 U4.6@48.75,72.71
  Bottom Layer w0.3: C38.1@37.487,21.584 36.416,21.584 35.5,22.5 35.5,35.3 36.427,36.227 41.527,36.227 42.7,37.4 42.7,72.3 43.08,72.68 v1(45.465,72.68)
  Bottom Layer w0.5: C38.1@37.487,21.584 37.487,22.896 R44.1@37.487,24.209
VIOUT4: C39.1 R45.1 R47.2 U4.7 | length 64.4
  Top Layer w0.3: v1(45.9,70.8) 46.6,70.8 47.24,71.44 U4.7@48.75,71.44
  Bottom Layer w0.3: v1(45.9,70.8) 44.8,70.8 43.8,69.8 43.8,37 45,35.8 50.3,35.8 51.5,34.6 51.5,22.2 52.116,21.584 C39.1@53.487,21.584
  Bottom Layer w0.5: C39.1@53.487,21.584 53.487,22.896 R45.1@53.487,24.209
VIOUT5: C44.1 R48.1 R50.2 U4.8 | length 77.3
  Top Layer w0.3: v1(45.2,69.8) 46.8,69.8 47.17,70.17 U4.8@48.75,70.17
  Bottom Layer w0.3: v1(45.2,69.8) 44.9,69.5 44.9,37.4 45.8,36.5 65.6,36.5 67.458,34.642 67.458,22.242 68.116,21.584 C44.1@69.487,21.584
  Bottom Layer w0.5: C44.1@69.487,21.584 69.487,22.896 R48.1@69.487,24.209
VIOUT6: C45.1 R49.1 R51.2 U4.9 | length 89.8
  Top Layer w0.3: v1(45.877,68.326) 46.626,68.326 47.2,68.9 U4.9@48.75,68.9
  Bottom Layer w0.3: v1(45.877,68.326) 45.877,38.023 46.774,37.126 80.674,37.126 83.409,34.391 83.409,21.819 83.644,21.584 C45.1@85.487,21.584
  Bottom Layer w0.5: C45.1@85.487,21.584 85.487,22.896 R49.1@85.487,24.209
pads on no net: J2. J2.A8 J2.B8 J3. J3.A8 J3.B8 J4.3 J7.1 J7.2 J7.3 J7.4 J7.5 M1.1 M2.1 M3.1 M4.1 RL1.2 RL2.2 RL3.2 RL4.2 RL5.2 RL6.2 U4.15 U4.16 U4.26 U4.28 U4.29 U4.30 U4.41_10 U4.41_11 U4.41_12 U4.41_13 U4.41_14 U4.41_15 U4.41_16 U4.41_17 U4.41_18 U4.41_19 U4.41_20 U4.41_21 U11.4 U11.5 U11.6 U11.7 U11.8 U11.9 U11.12 U11.13 U11.14 U11.15 U11.16 U11.17 US1.1 US1.2 US1.10 US1.12 US1.13 US1.14 US1.15 US1.16 US1.17 US1.18 US1.19 US1.20 US1.21 US1.22 US1.23 US1.27

## Polygon pours and split planes (outlines as drawn)
GND on Bottom Layer "GND_L02_P002" (solid, remove dead copper, pour order 2): 0,86.2 121.2,86.2 121.2,0 0,0
GND on Top Layer "GND_L01_P000" (solid, remove dead copper, pour order 0): 0,86.2 121.2,86.2 121.2,0 0,0

## Keep-outs
Keep-Out Layer:
  lines w0.2: 48.1,80.1 66.85,80.1 66.85,86.2 48.1,86.2 ; 48.1,80.1 48.1,86.2 ; 48.1,80.1 48.1,86.2 ; 0,0 121.2,0 121.2,86.2 0,86.2 0,0

## Other copper
Top Layer:
  region net 12V: 11.6,69.7 12.3,69 12.7,68.6 12.7,63.8 12.6,63.7 11.2,63.7 11.1,63.6 11.1,61.19 11.01,61.1 10.2,61.1 10.1,61.2 10.1,66 9.8,66.3 7.6,66.3 7.3,66.6 7.3,72.2 7.6,72.5 11.4,72.5 11.6,72.3
  region net VIN: 19.5,70.5 20.4,71.4 20.4,75.9 19.7,76.6 15.8,76.6 15.4,76.2 15.4,73.1 15.3,73 13.4,73 13.1,72.7 13.1,70.7 13.3,70.5
  region net 5V: 20,58.3 20.1,58.4 25.6,58.4 25.9,58.1 25.9,47.4 25.7,47.2 22.7,47.2 22.3,47.6 22.3,55.7 21.9,56.1 20.2,56.1 20,56.3
  region net NetC1_1: 11.5,58.3 11.6,58.4 12.7,58.4 12.8,58.3 12.8,57.2 13,57 16.5,57 16.6,57.1 16.6,57.9 16.8,58.1 18.6,58.1 18.8,57.9 18.8,47.5 18.4,47.1 12,47.1 11.5,47.6
  region net COM3: 42.1,16.35 41.85,16.1 41.85,15.6 41.6,15.35 35.1,15.35 34.35,14.6 34.35,3.6 34.6,3.35 36.35,3.35 36.6,3.6 36.6,13.1 36.85,13.35 43.35,13.35 44.1,14.1 44.1,16.1 43.85,16.35
  region net COM2: 25.85,16.1 25.85,9.6 25.6,9.35 24.35,9.35 24.1,9.1 24.1,3.85 24.6,3.35 26.1,3.35 26.35,3.6 26.35,7.1 26.6,7.35 28.1,7.35 28.35,7.6 28.35,16.1 28.1,16.35 26.1,16.35
  region net COM1: 10.1,8.6 10.35,8.35 13.85,8.35 14.1,8.1 14.1,3.6 14.35,3.35 15.85,3.35 16.1,3.6 16.1,10.1 15.85,10.35 12.6,10.35 12.35,10.6 12.35,14.1 12.35,16.1 12.1,16.35 10.35,16.35 10.1,16.1
  region net COM4: 60.1,13.1 59.6,12.6 48.1,12.6 46.6,11.1 46.6,3.6 46.35,3.35 44.6,3.35 44.35,3.6 44.35,12.35 46.85,14.85 57.6,14.85 57.85,15.1 57.85,16.1 58.1,16.35 59.85,16.35 60.1,16.1
  region net COM6: 90.1,16.6 89.85,16.35 89.85,9.1 89.35,8.6 65.85,8.6 64.85,7.6 64.85,3.35 65.1,3.1 66.85,3.1 67.1,3.35 67.1,5.85 67.6,6.35 91.85,6.35 92.1,6.6 92.1,16.35 91.85,16.6
  region net COM5: 74.1,16.35 73.85,16.1 73.85,11.85 73.6,11.6 55.1,11.6 54.6,11.1 54.6,3.6 54.85,3.35 56.6,3.35 56.85,3.6 56.85,9.1 57.1,9.35 75.85,9.35 76.1,9.6 76.1,16.1 75.85,16.35
Bottom Layer:
  region net NO1-: 13.35,22.35 12.85,21.85 12.85,10.6 13.1,10.35 18.6,10.35 18.85,10.1 18.85,3.1 19.137,2.813 21.313,2.813 21.6,3.1 21.6,12.85 21.35,13.1 15.6,13.1 15.35,13.35 15.35,19.6 15.6,19.85 16.35,19.85 16.6,20.1 16.6,22.1 16.35,22.35
  region net NO3-: 45.35,22.35 45.1,22.1 45.1,13.1 44.6,12.6 39.35,12.6 39.1,12.35 39.1,3.1 39.35,2.85 41.6,2.85 41.85,3.1 41.85,10.1 42.1,10.35 47.35,10.35 47.561,10.561 47.561,19.592 47.819,19.85 48.6,19.85 48.85,20.1 48.85,22.1 48.6,22.35
  region net NO5-: 80.35,22.35 80.6,22.1 80.6,20.35 80.35,20.1 79.35,20.1 79.1,19.85 79.1,10.6 78.85,10.35 67.6,10.35 67.35,10.1 67.35,7.1 66.85,6.6 62.6,6.6 62.35,6.35 62.35,3.1 62.1,2.85 59.85,2.85 59.6,3.1 59.6,8.1 60.1,8.6 64.85,8.6 65.1,8.85 65.1,12.35 65.35,12.6 76.6,12.6 76.85,12.85 76.85,22.1 77.1,22.35
  region net NO6-: 93.35,22.35 92.85,21.85 92.85,10.1 92.1,9.35 70.35,9.35 69.35,8.35 69.35,3.1 69.6,2.85 72.35,2.85 72.6,3.1 72.6,6.6 73.1,7.1 94.426,7.1 95.1,7.774 95.1,19.6 95.35,19.85 96.85,19.85 97.1,20.1 97.1,22.1 96.85,22.35
  region net NO4-: 61.1,22.35 60.85,22.1 60.85,13.35 60.35,12.85 49.85,12.85 49.35,12.35 49.35,3.1 49.6,2.85 51.6,2.85 51.85,3.1 51.85,10.1 52.35,10.6 62.6,10.6 63.1,11.1 63.1,20.1 63.35,20.35 65.1,20.35 65.35,20.6 65.35,22.1 65.1,22.35
  region net NO2-: 29.35,22.35 29.1,22.1 29.1,3.1 29.35,2.85 31.35,2.85 31.6,3.1 31.6,15.6 31.6,19.85 31.85,20.1 32.6,20.1 32.85,20.35 32.85,22.1 32.6,22.35
  region net NO6+: 94.106,30.35 94.356,30.6 98.356,30.6 98.606,30.35 98.606,23.1 98.356,22.85 94.356,22.85 94.106,23.1
  region net NO5+: 78.155,30.35 78.405,30.6 82.405,30.6 82.655,30.35 82.655,23.1 82.405,22.85 78.405,22.85 78.155,23.1
  region net NO4+: 62.204,30.35 62.454,30.6 66.454,30.6 66.704,30.35 66.704,23.1 66.454,22.85 62.454,22.85 62.204,23.1
  region net NO3+: 46.252,30.35 46.502,30.6 50.502,30.6 50.752,30.35 50.752,23.1 50.502,22.85 46.502,22.85 46.252,23.1
  region net NO2+: 30.301,30.35 30.551,30.6 34.551,30.6 34.801,30.35 34.801,23.1 34.551,22.85 30.551,22.85 30.301,23.1
  region net NO1+: 14.35,30.35 14.6,30.6 18.6,30.6 18.85,30.35 18.85,23.1 18.6,22.85 14.6,22.85 14.35,23.1

## Silkscreen, mask and mechanical layers (free items; w line width, h text height)
Top Overlay:
  drawing of 48 lines, arcs and shapes, not listed
  text "USB" at 46.899,85.8 h1.2 r180
  text "UART" at 71.899,85.6 h1.2 r180
  text "BOOT" at 29.574,80.8 h0.8 r180
  text "CONFIG" at 89.849,80.8 h0.8 r180
  text "RESET" at 98.066,80.7 h0.8 r180
  text "POWER" at 11.433,78.1 h1 r180
  text "GND" at 104.517,76 h0.7
  text "IO42" at 83.625,74.4 h0.7
  text "OUT" at 110.501,73.9 h0.8
  text "3V3" at 113.401,73.9 h0.8
  text "GND" at 105.501,73.8 h0.8
  text "3V3" at 104.517,73.4 h0.7
  text "RX" at 104.217,70.9 h0.7
  text "DHT11" at 107.201,68.5 h1.2
  text "IO41" at 83.525,68.4 h0.7
  text "TX" at 104.217,67.4 h0.7
  text "3V3" at 36.5,66.417 h0.7 r90
  text "3V3" at 104.617,65 h0.7
  text "GND" at 104.717,62.5 h0.7
  text "3V3" at 38.217,61.3 h0.7
  text "5V" at 27.917,56.7 h0.7
  text "DESIGN BY HUYNH MINH DANG" at 21.501,49.381 h1
  text "41900348" at 13.751,47.381 h1.2
  text "COM4" at 40.956,10.1 h1.2
  text "COM1" at 10.283,10.042 h1.2
  text "NO1" at 15.512,10.042 h1.2
  text "COM2" at 20.44,10.042 h1.2
  text "NO2" at 25.569,10.042 h1.2
  text "COM3" at 30.698,10.042 h1.2
  text "NO3" at 35.827,10.042 h1.2
  text "NO4" at 46.085,10.042 h1.2
  text "COM5" at 51.213,10.042 h1.2
  text "NO5" at 56.342,10.042 h1.2
  text "COM6" at 61.471,10.042 h1.2
  text "NO6" at 66.6,10.042 h1.2
  text "GND" at 71.136,10.042 h1.2
  text "SDA" at 76.457,10.042 h1.2
  text "SCL" at 81.671,10.042 h1.2
  text "5V" at 86.642,10.042 h1.2
  text "GRD" at 91.828,10.042 h1.2
  text "B-" at 97.514,10.042 h1.2
  text "A+" at 102.35,10.042 h1.2

## Text inside footprints (layer, text, board x,y; h text height)
D13: Top Overlay "K" at 96.7,63.9 h0.8 r90
LS1: Top Overlay "+" at 73.5,48.35 h0.8 r180; Top Overlay "-" at 65.85,48.2 h0.8 r180
RL1: Mechanical 2 "1" at 11.557,15.133 h0.8 r90; Mechanical 2 "4" at 17.557,16.933 h0.8 r90; Mechanical 2 "5" at 5.557,16.983 h0.8 r90; Mechanical 2 "NO" at 17.657,26.783 h0.8 r90; Mechanical 2 "NC" at 5.507,26.783 h0.8 r90; Mechanical 2 "3" at 17.557,29.133 h0.8 r90; Mechanical 2 "2" at 5.557,29.133 h0.8 r90; Mechanical 2 "COIL" at 15.957,15.883 h0.8 r90; Mechanical 2 "COIL" at 7.207,15.883 h0.8 r90; Mechanical 2 "COM" at 9.957,14.183 h0.8 r90
RL2: Mechanical 2 "1" at 27.508,15.133 h0.8 r90; Mechanical 2 "4" at 33.508,16.933 h0.8 r90; Mechanical 2 "5" at 21.508,16.983 h0.8 r90; Mechanical 2 "NO" at 33.608,26.783 h0.8 r90; Mechanical 2 "NC" at 21.458,26.783 h0.8 r90; Mechanical 2 "3" at 33.508,29.133 h0.8 r90; Mechanical 2 "2" at 21.508,29.133 h0.8 r90; Mechanical 2 "COIL" at 31.908,15.883 h0.8 r90; Mechanical 2 "COIL" at 23.158,15.883 h0.8 r90; Mechanical 2 "COM" at 25.908,14.183 h0.8 r90
RL3: Mechanical 2 "1" at 43.459,15.133 h0.8 r90; Mechanical 2 "4" at 49.459,16.933 h0.8 r90; Mechanical 2 "5" at 37.459,16.983 h0.8 r90; Mechanical 2 "NO" at 49.559,26.783 h0.8 r90; Mechanical 2 "NC" at 37.409,26.783 h0.8 r90; Mechanical 2 "3" at 49.459,29.133 h0.8 r90; Mechanical 2 "2" at 37.459,29.133 h0.8 r90; Mechanical 2 "COIL" at 47.859,15.883 h0.8 r90; Mechanical 2 "COIL" at 39.109,15.883 h0.8 r90; Mechanical 2 "COM" at 41.859,14.183 h0.8 r90
RL4: Mechanical 2 "1" at 59.411,15.133 h0.8 r90; Mechanical 2 "4" at 65.411,16.933 h0.8 r90; Mechanical 2 "5" at 53.411,16.983 h0.8 r90; Mechanical 2 "NO" at 65.511,26.783 h0.8 r90; Mechanical 2 "NC" at 53.361,26.783 h0.8 r90; Mechanical 2 "3" at 65.411,29.133 h0.8 r90; Mechanical 2 "2" at 53.411,29.133 h0.8 r90; Mechanical 2 "COIL" at 63.811,15.883 h0.8 r90; Mechanical 2 "COIL" at 55.061,15.883 h0.8 r90; Mechanical 2 "COM" at 57.811,14.183 h0.8 r90
RL5: Mechanical 2 "1" at 75.362,15.133 h0.8 r90; Mechanical 2 "4" at 81.362,16.933 h0.8 r90; Mechanical 2 "5" at 69.362,16.983 h0.8 r90; Mechanical 2 "NO" at 81.462,26.783 h0.8 r90; Mechanical 2 "NC" at 69.312,26.783 h0.8 r90; Mechanical 2 "3" at 81.362,29.133 h0.8 r90; Mechanical 2 "2" at 69.362,29.133 h0.8 r90; Mechanical 2 "COIL" at 79.762,15.883 h0.8 r90; Mechanical 2 "COIL" at 71.012,15.883 h0.8 r90; Mechanical 2 "COM" at 73.762,14.183 h0.8 r90
RL6: Mechanical 2 "1" at 91.313,15.133 h0.8 r90; Mechanical 2 "4" at 97.313,16.933 h0.8 r90; Mechanical 2 "5" at 85.313,16.983 h0.8 r90; Mechanical 2 "NO" at 97.413,26.783 h0.8 r90; Mechanical 2 "NC" at 85.263,26.783 h0.8 r90; Mechanical 2 "3" at 97.313,29.133 h0.8 r90; Mechanical 2 "2" at 85.313,29.133 h0.8 r90; Mechanical 2 "COIL" at 95.713,15.883 h0.8 r90; Mechanical 2 "COIL" at 86.963,15.883 h0.8 r90; Mechanical 2 "COM" at 89.713,14.183 h0.8 r90
U4: Mechanical 13 "ANTENNA" at 53,83.3 h0.8